# Altium PCB TIDA050024.PcbDoc (part 3 of 3)
Units mil, origin at the board's own origin, x right, y up, seen from the top; angles counter-clockwise.
Board outline 5500.19 x 3301.39 mil, 4 copper layers (Top Layer, Signal Layer 1, Signal Layer 2, Bottom Layer), stack 46.8 mil thick; 153 components, 88 nets, 368 pads, 374 vias.
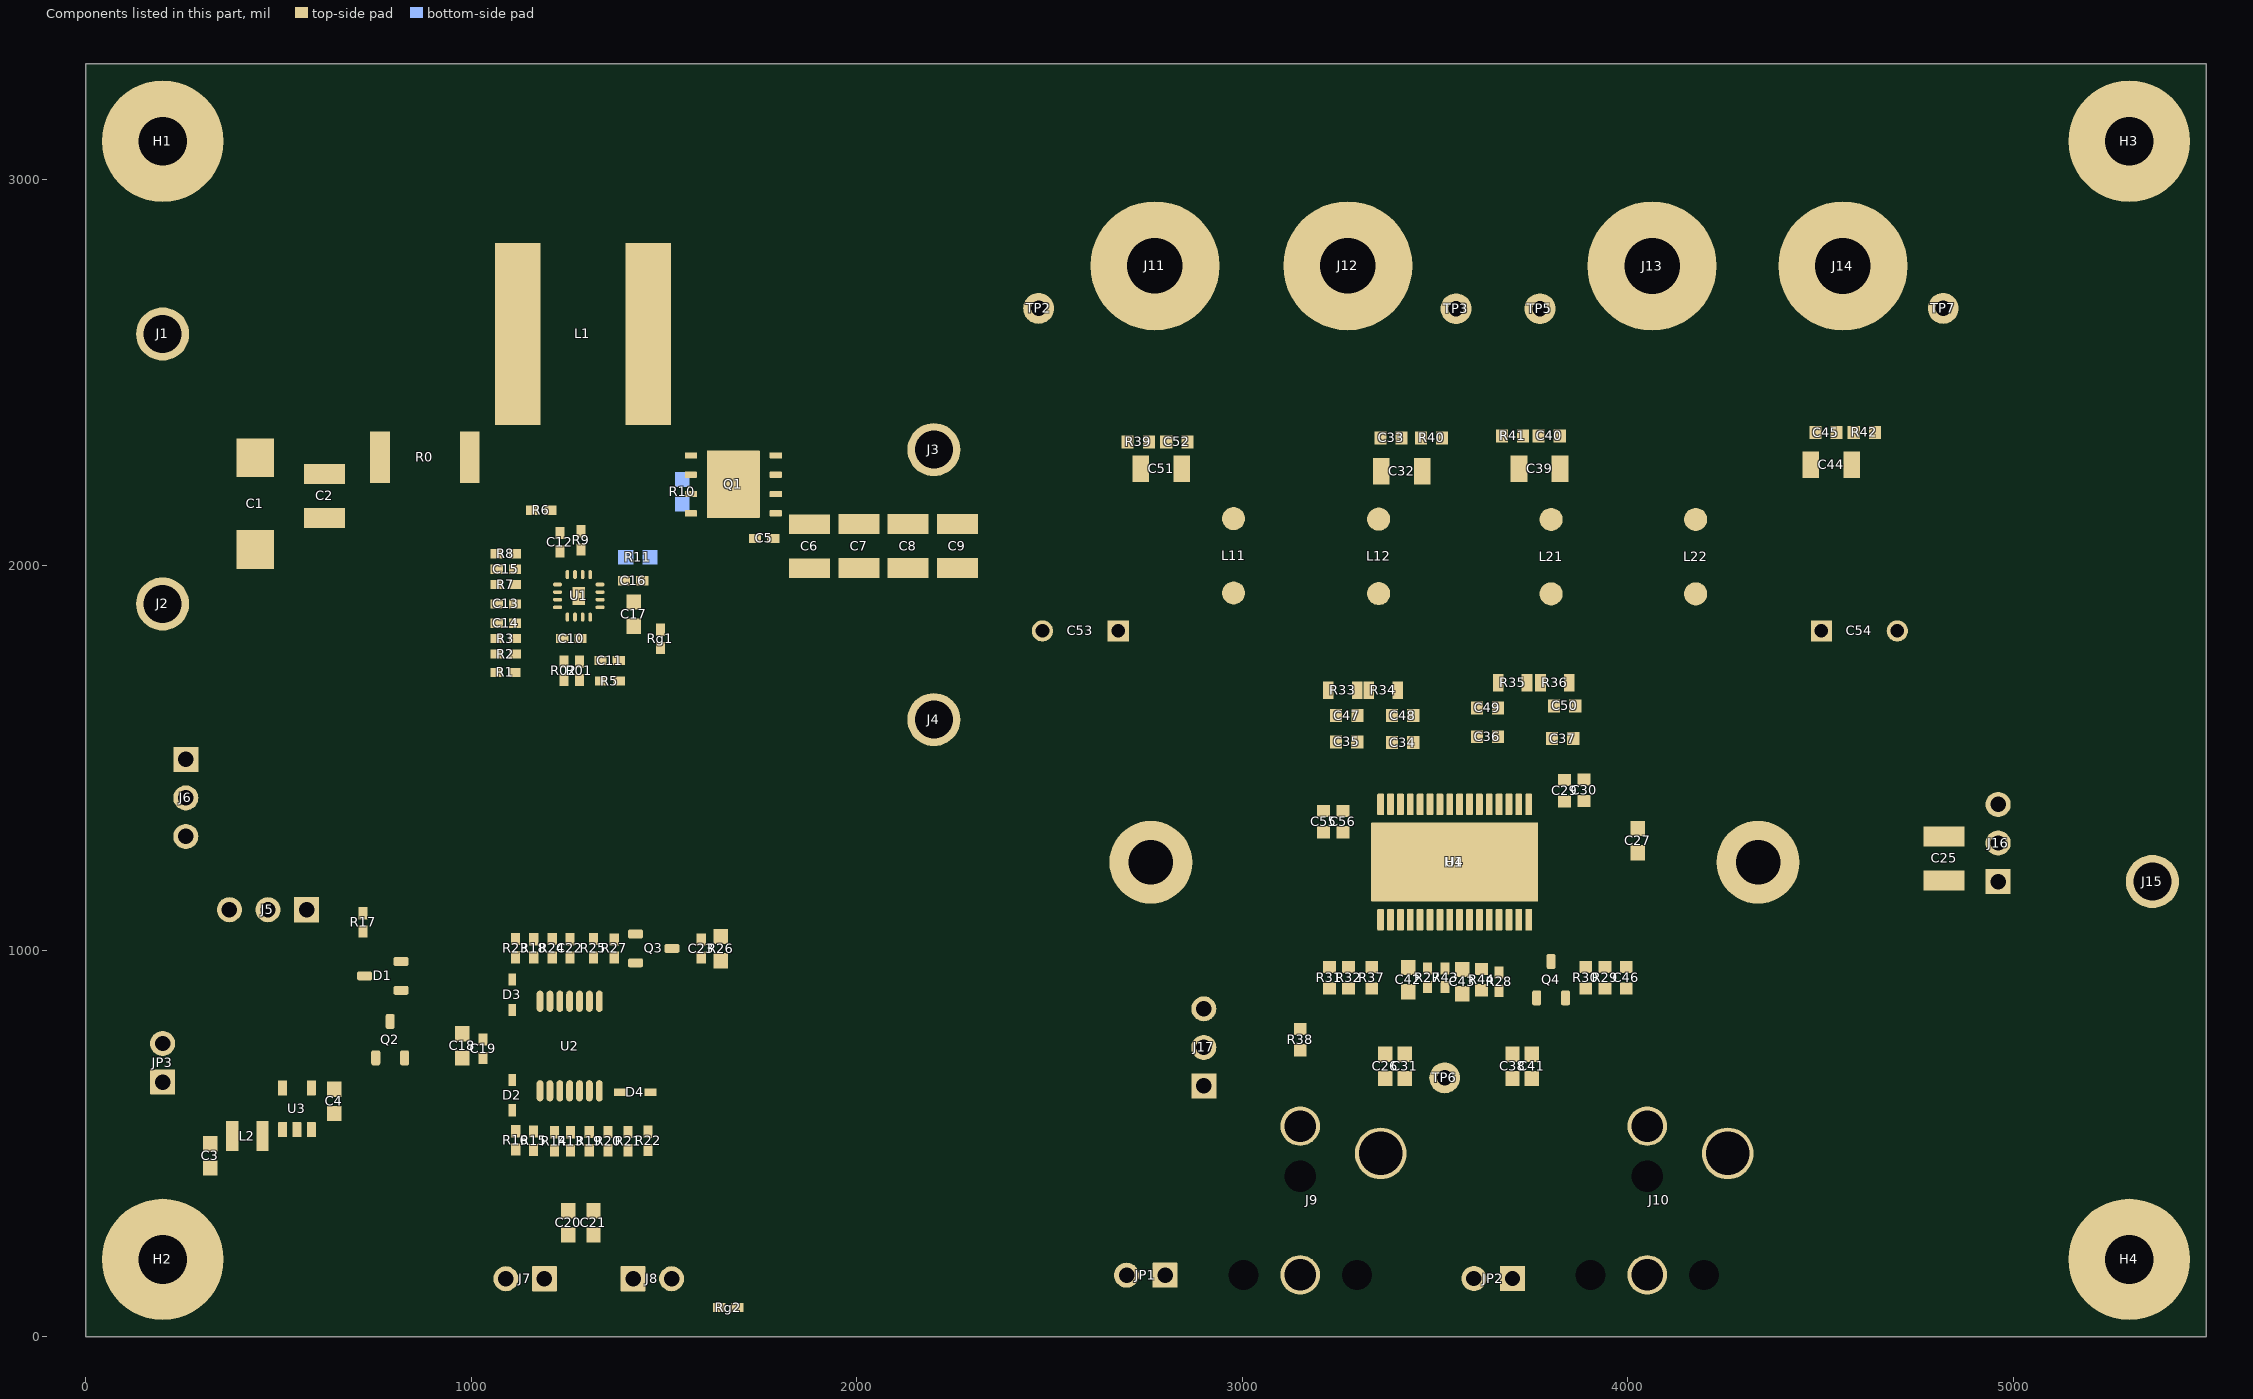
[diagram p5: the components of this part, seen from the top]

## Silkscreen, mask and mechanical layers (free items; w line width, h text height) (continued)
M12 Stackup:
  drawing of 269 lines, arcs and shapes, not listed
  text "Layer" at 9777.84,7897.5 h30
  text "Name" at 9992.8,7897.5 h30
  text "Material" at 10472.67,7897.5 h30
  text "Thickness" at 10912.55,7897.5 h30
  text "Constant" at 11247.47,7897.5 h30
  text "Board Layer Stack" at 11542.4,7897.5 h30
  text "Top Overlay" at 9992.8,7837.5 h30
  text "Top Solder" at 9992.8,7777.5 h30
  text "Solder Resist" at 10472.67,7777.5 h30
  text "0.40mil" at 10912.55,7777.5 h30
  text "3.5" at 11247.47,7777.5 h30
  text "1" at 9777.84,7717.5 h30
  text "Top Layer" at 9992.8,7717.5 h30
  text "2.80mil" at 10912.55,7717.5 h30
  text "Dielectric1" at 9992.8,7657.5 h30
  text "FR-4" at 10472.67,7657.5 h30
  text "12.80mil" at 10912.55,7657.5 h30
  text "4.2" at 11247.47,7657.5 h30
  text "2" at 9777.84,7597.5 h30
  text "Signal Layer 1" at 9992.8,7597.5 h30
  text "1.40mil" at 10912.55,7597.5 h30
  text "Dielectric 3" at 9992.8,7537.5 h30
  text "12.80mil" at 10912.55,7537.5 h30
  text "4.2" at 11247.47,7537.5 h30
  text "3" at 9777.84,7477.5 h30
  text "Signal Layer 2" at 9992.8,7477.5 h30
  text "1.40mil" at 10912.55,7477.5 h30
  text "Dielectric 2" at 9992.8,7417.5 h30
  text "12.80mil" at 10912.55,7417.5 h30
  text "4.2" at 11247.47,7417.5 h30
  text "4" at 9777.84,7357.5 h30
  text "Bottom Layer" at 9992.8,7357.5 h30
  text "2.80mil" at 10912.55,7357.5 h30
  text "Bottom Solder" at 9992.8,7297.5 h30
  text "Solder Resist" at 10472.67,7297.5 h30
  text "0.40mil" at 10912.55,7297.5 h30
  text "3.5" at 11247.47,7297.5 h30
  text ".Layer_Name" at 577,-858.49 h30
M13 Component Bodies Top:
  text ".Layer_Name" at 577,-858.49 h30
M14 Component Bodies Bottom:
  text ".Layer_Name" at 577,-858.49 h30
M15 Courtyards Top:
  text ".Layer_Name" at 577,-858.49 h30
M16 Courtyards Bottom:
  text ".Layer_Name" at 577,-858.49 h30

## Dimensions
0,0 to 3401.28,-18 on M2 Board Dimensions
0,0 to -47.76,2398.56 on M2 Board Dimensions
0,-400 to 1000,-400 on M2 Board Dimensions

## Text inside footprints (layer, text, board x,y; h text height)
C53: Top Overlay "+" at 2849.68,1859.53 h30 r180; M5 Assembly Top "+" at 2849.68,1859.53 h30 r180
C54: Top Overlay "+" at 4330.31,1800.47 h30; M5 Assembly Top "+" at 4330.31,1800.47 h30